# Altium PCB Board.PcbDoc (part 3 of 15)
Units mil, origin at the board's own origin, x right, y up, seen from the top; angles counter-clockwise.
Board outline 6379.64 x 4143.89 mil, 4 copper layers (Top Layer, GND, VCC, Bottom Layer); 316 components, 199 nets, 1077 pads, 596 vias.
Unrouted connection lines stored in the file: 268.
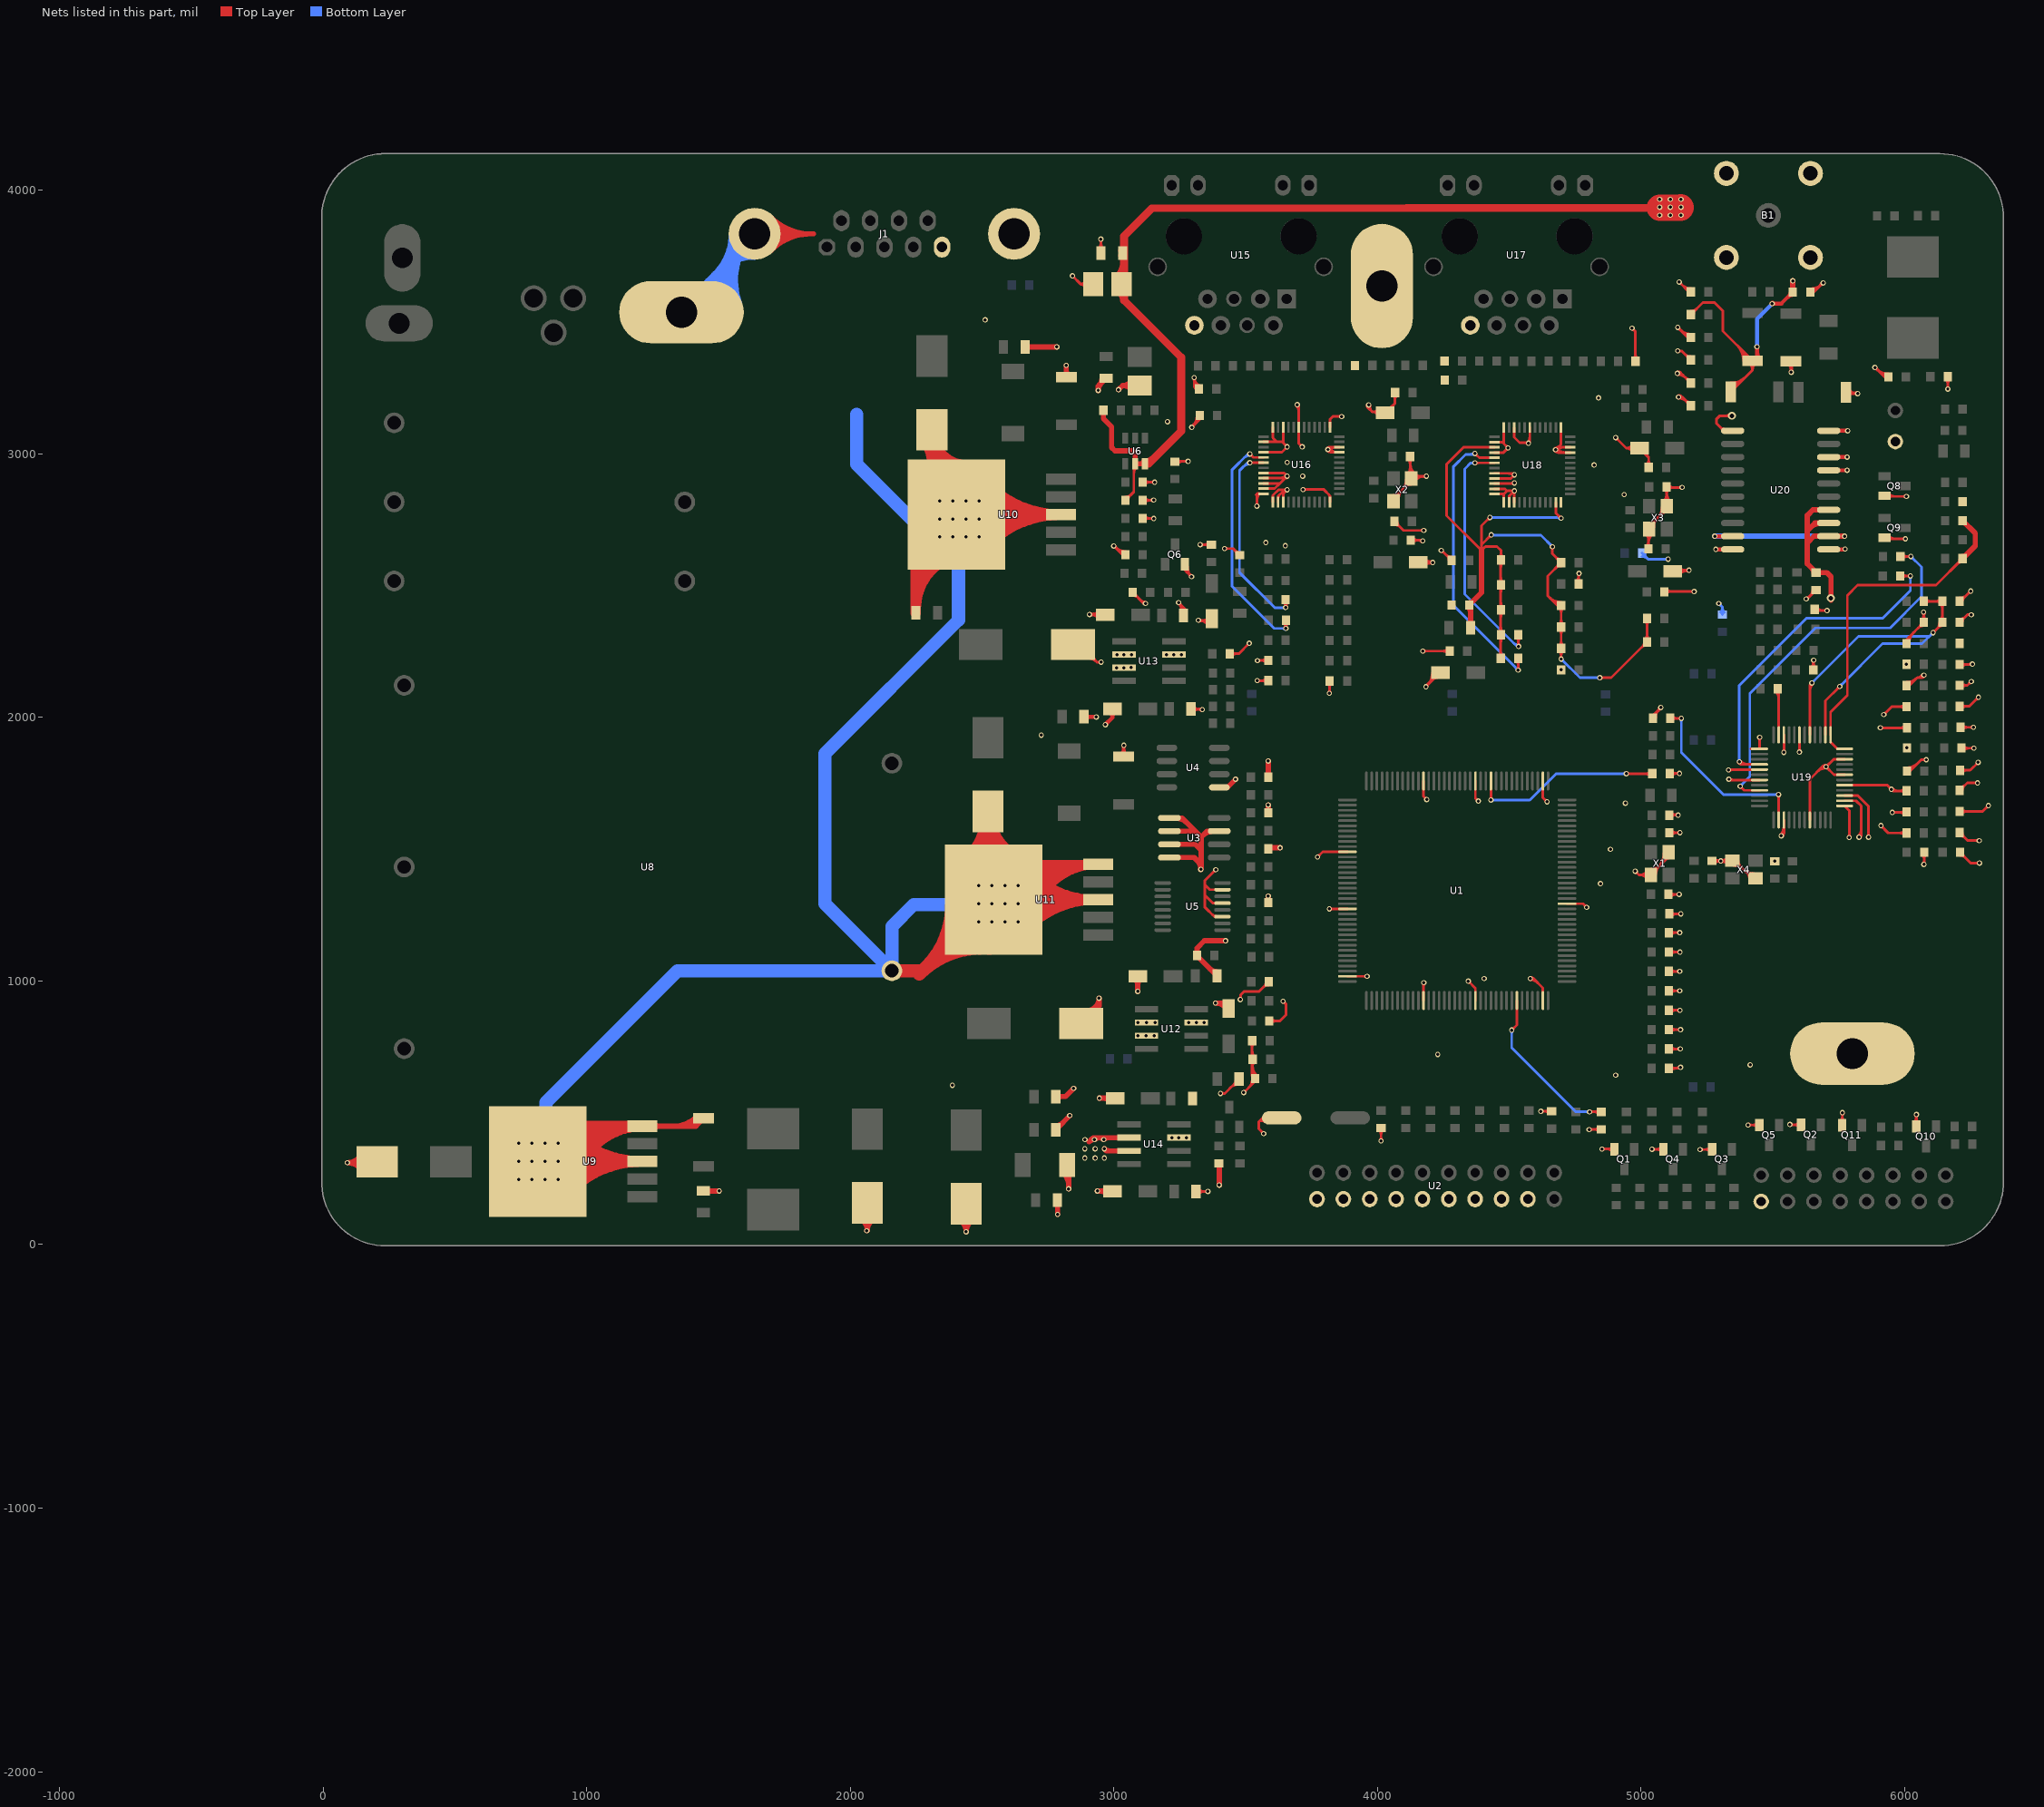
[diagram p4: the nets of this part, all layers, seen from the top]

## Via types
v1: diameter 20, hole 12, Top Layer to Bottom Layer, 590 vias
v2: diameter 30, hole 17, Top Layer to Bottom Layer, 6 vias

## Nets (pads, with @x,y where several pads share a name; then routed paths per layer and width w, separated by ;. In a path a pad name is that pad's centre, name@x,y a point inside that pad or via, vN(x,y) a via of type N, cw(c..) or ccw(c..) an arc to the next point about the centre after c; other vN are vias at no path point) (continued)
3V3D2: C76.1 L9.2 R64.1 R66.1 R67.1 R68.1 R69.1 R70.1 R71.1 R72.1 R73.1 R74.1 R75.1 U18.27 U18.47 | length 6596.1
  Top Layer w10: 4392.1,2635.95 4262.6,2765.45 4262.6,2960.45 4326.77,3024.62 U18.27@4443.6,3024.62 ; v1(4426.6,2758.45) 4425.6,2758.45 4394.6,2727.45 4394.6,2655.45 ; v1(4431.6,2692.45) 4394.6,2655.45 ; R70.1@4467.6,2224.45 4467.6,2596.45 R75.1@4468.6,2597.45 4468.6,2633.45 4453.6,2648.45 4409.6,2648.45 4394.6,2633.45 4394.6,2655.45 ; 4650.65,2456.4 ccw(c4696.6,2502.35) R66.1@4696.6,2437.37 ; v1(4663.6,2647.45) 4663.6,2620.45 R73.1@4696.6,2587.45 4645.6,2536.45 4645.6,2461.45 4682.4,2424.65 R66.1@4696.6,2424.65 R68.1@4696.6,2343.25 R69.1@4696.6,2261.85 v1(4696.6,2221.45) ; 4667.72,2439.33 ccw(c4696.6,2468.21) R66.1@4696.6,2427.37 ; U18.47@4676.18,2815.72 4676.18,2775.87 v1(4696.6,2755.45) ; v1(4843.6,2150.45) 4886.6,2150.45 R67.1@5022.6,2286.45 R64.1@5022.6,2375.45 ; 4416.36,2749.21 cw(c4426.6,2738.96) v1@4426.6,2753.45 ; 4416.36,2749.21 cw(c4426.6,2738.96) v1@4426.6,2753.45 ; 4416.36,2749.21 cw(c4426.6,2738.96) v1@4426.6,2753.45 ; 4418.77,2751.62 ccw(c4411.94,2758.45) v1@4421.6,2758.45 ; 4418.77,2751.62 ccw(c4411.94,2758.45) v1@4421.6,2758.45 ; 4418.77,2751.62 ccw(c4411.94,2758.45) v1@4421.6,2758.45 ; 4423.06,2683.91 cw(c4431.6,2675.38) v1@4431.6,2687.45 ; 4423.06,2683.91 ccw(c4414.53,2692.45) v1@4426.6,2692.45 ; 4423.06,2683.91 cw(c4431.6,2675.38) v1@4431.6,2687.45 ; 4423.06,2683.91 ccw(c4414.53,2692.45) v1@4426.6,2692.45 ; 4423.06,2683.91 ccw(c4414.53,2692.45) v1@4426.6,2692.45 ; 4423.06,2683.91 cw(c4431.6,2675.38) v1@4431.6,2687.45 ; R70.1@4460,2234.02 ccw(c4441.65,2252.37) 4467.6,2252.37 ; R70.1@4460,2234.02 ccw(c4441.65,2252.37) 4467.6,2252.37 ; R70.1@4460,2234.02 ccw(c4441.65,2252.37) 4467.6,2252.37 ; R71.1@4461,2303.63 cw(c4445.06,2287.7) 4467.6,2287.7 ; R71.1@4461,2303.63 cw(c4445.06,2287.7) 4467.6,2287.7 ; R71.1@4461,2303.63 cw(c4445.06,2287.7) 4467.6,2287.7 ; R71.1@4461,2322.77 ccw(c4445.06,2338.7) 4467.6,2338.7 ; R71.1@4461,2322.77 ccw(c4445.06,2338.7) 4467.6,2338.7 ; R71.1@4461,2322.77 ccw(c4445.06,2338.7) 4467.6,2338.7 ; R72.1@4461,2398.38 cw(c4445.06,2382.45) 4467.6,2382.45 ; R72.1@4461,2398.38 cw(c4445.06,2382.45) 4467.6,2382.45 ; R72.1@4461,2398.38 cw(c4445.06,2382.45) 4467.6,2382.45 ; R72.1@4461,2417.52 ccw(c4445.06,2433.45) 4467.6,2433.45 ; R72.1@4461,2417.52 ccw(c4445.06,2433.45) 4467.6,2433.45 ; R72.1@4461,2417.52 ccw(c4445.06,2433.45) 4467.6,2433.45 ; R74.1@4461,2493.13 cw(c4445.06,2477.2) 4467.6,2477.2 ; R74.1@4461,2493.13 cw(c4445.06,2477.2) 4467.6,2477.2 ; R74.1@4461,2493.13 cw(c4445.06,2477.2) 4467.6,2477.2 ; R74.1@4461,2512.27 ccw(c4445.06,2528.2) 4467.6,2528.2 ; R74.1@4461,2512.27 ccw(c4445.06,2528.2) 4467.6,2528.2 ; R74.1@4461,2512.27 ccw(c4445.06,2528.2) 4467.6,2528.2 ; R75.1@4461,2587.88 cw(c4445.06,2571.95) 4467.6,2571.95 ; R75.1@4461,2587.88 cw(c4445.06,2571.95) 4467.6,2571.95 ; R75.1@4461,2587.88 cw(c4445.06,2571.95) 4467.6,2571.95 ; R75.1@4461,2607.02 ccw(c4442.65,2625.37) 4468.6,2625.37 ; R75.1@4461,2607.02 ccw(c4442.65,2625.37) 4468.6,2625.37 ; R75.1@4461,2607.02 ccw(c4442.65,2625.37) 4468.6,2625.37 ; 4467.6,2252.37 ccw(c4493.55,2252.37) R70.1@4475.2,2234.02 ; 4467.6,2252.37 ccw(c4493.55,2252.37) R70.1@4475.2,2234.02 ; 4467.6,2252.37 ccw(c4493.55,2252.37) R70.1@4475.2,2234.02 ; 4467.6,2282.87 cw(c4496.96,2282.87) R71.1@4476.2,2303.63 ; 4467.6,2282.87 cw(c4496.96,2282.87) R71.1@4476.2,2303.63 ; 4467.6,2282.87 cw(c4496.96,2282.87) R71.1@4476.2,2303.63 ; 4467.6,2343.53 ccw(c4496.96,2343.53) R71.1@4476.2,2322.77 ; 4467.6,2343.53 ccw(c4496.96,2343.53) R71.1@4476.2,2322.77 ; 4467.6,2343.53 ccw(c4496.96,2343.53) R71.1@4476.2,2322.77 ; 4467.6,2377.62 cw(c4496.96,2377.62) R72.1@4476.2,2398.38 ; 4467.6,2377.62 cw(c4496.96,2377.62) R72.1@4476.2,2398.38 ; 4467.6,2377.62 cw(c4496.96,2377.62) R72.1@4476.2,2398.38 ; 4467.6,2438.28 ccw(c4496.96,2438.28) R72.1@4476.2,2417.52 ; 4467.6,2438.28 ccw(c4496.96,2438.28) R72.1@4476.2,2417.52 ; 4467.6,2438.28 ccw(c4496.96,2438.28) R72.1@4476.2,2417.52 ; 4467.6,2472.37 cw(c4496.96,2472.37) R74.1@4476.2,2493.13 ; 4467.6,2472.37 cw(c4496.96,2472.37) R74.1@4476.2,2493.13 ; 4467.6,2472.37 cw(c4496.96,2472.37) R74.1@4476.2,2493.13 ; 4467.6,2533.03 ccw(c4496.96,2533.03) R74.1@4476.2,2512.27 ; 4467.6,2533.03 ccw(c4496.96,2533.03) R74.1@4476.2,2512.27 ; 4467.6,2533.03 ccw(c4496.96,2533.03) R74.1@4476.2,2512.27 ; 4467.6,2567.12 cw(c4496.96,2567.12) R75.1@4476.2,2587.88 ; 4467.6,2567.12 cw(c4496.96,2567.12) R75.1@4476.2,2587.88 ; 4467.6,2567.12 cw(c4496.96,2567.12) R75.1@4476.2,2587.88 ; 4468.6,2625.37 ccw(c4494.55,2625.37) R75.1@4476.2,2607.02 ; 4468.6,2625.37 ccw(c4494.55,2625.37) R75.1@4476.2,2607.02 ; 4468.6,2625.37 ccw(c4494.55,2625.37) R75.1@4476.2,2607.02 ; v1@4660.06,2643.91 cw(c4651.53,2635.38) 4663.6,2635.38 ; v1@4660.06,2643.91 cw(c4651.53,2635.38) 4663.6,2635.38 ; v1@4660.06,2643.91 cw(c4651.53,2635.38) 4663.6,2635.38 ; 4663.6,2635.38 cw(c4675.67,2635.38) v1@4667.13,2643.91 ; 4663.6,2635.38 cw(c4675.67,2635.38) v1@4667.13,2643.91 ; 4663.6,2635.38 cw(c4675.67,2635.38) v1@4667.13,2643.91 ; 4674.89,2565.74 cw(c4696.6,2544.03) R73.1@4696.6,2574.73 ; 4674.89,2565.74 cw(c4696.6,2544.03) R73.1@4696.6,2574.73 ; 4674.89,2565.74 cw(c4696.6,2544.03) R73.1@4696.6,2574.73 ; 4674.89,2609.16 ccw(c4696.6,2630.87) R73.1@4696.6,2600.17 ; 4674.89,2609.16 ccw(c4696.6,2630.87) R73.1@4696.6,2600.17 ; 4674.89,2609.16 ccw(c4696.6,2630.87) R73.1@4696.6,2600.17 ; 4679.64,2570.49 ccw(c4664.65,2585.48) R73.1@4685.85,2585.48 ; 4679.64,2570.49 ccw(c4664.65,2585.48) R73.1@4685.85,2585.48 ; 4679.64,2570.49 ccw(c4664.65,2585.48) R73.1@4685.85,2585.48 ; 4679.64,2604.4 cw(c4664.65,2589.42) R73.1@4685.85,2589.42 ; 4679.64,2604.4 cw(c4664.65,2589.42) R73.1@4685.85,2589.42 ; 4679.64,2604.4 cw(c4664.65,2589.42) R73.1@4685.85,2589.42 ; 4688.06,2763.98 cw(c4679.53,2755.45) v1@4691.6,2755.45 ; 4688.06,2763.98 ccw(c4696.6,2772.52) v1@4696.6,2760.45 ; 4688.06,2763.98 cw(c4679.53,2755.45) v1@4691.6,2755.45 ; 4688.06,2763.98 ccw(c4696.6,2772.52) v1@4696.6,2760.45 ; 4688.06,2763.98 ccw(c4696.6,2772.52) v1@4696.6,2760.45 ; 4688.06,2763.98 cw(c4679.53,2755.45) v1@4691.6,2755.45 ; R69.1@4689,2252.28 cw(c4670.65,2233.93) 4696.6,2233.93 ; R69.1@4689,2252.28 cw(c4670.65,2233.93) 4696.6,2233.93 ; R69.1@4689,2252.28 cw(c4670.65,2233.93) 4696.6,2233.93 ; R69.1@4689,2271.42 ccw(c4670.65,2289.77) 4696.6,2289.77 ; R69.1@4689,2271.42 ccw(c4670.65,2289.77) 4696.6,2289.77 ; R69.1@4689,2271.42 ccw(c4670.65,2289.77) 4696.6,2289.77 ; R68.1@4689,2333.68 cw(c4670.65,2315.33) 4696.6,2315.33 ; R68.1@4689,2333.68 cw(c4670.65,2315.33) 4696.6,2315.33 ; R68.1@4689,2333.68 cw(c4670.65,2315.33) 4696.6,2315.33 ; R68.1@4689,2352.82 ccw(c4670.65,2371.17) 4696.6,2371.17 ; R68.1@4689,2352.82 ccw(c4670.65,2371.17) 4696.6,2371.17 ; R68.1@4689,2352.82 ccw(c4670.65,2371.17) 4696.6,2371.17 ; R66.1@4689,2415.08 cw(c4670.65,2396.73) 4696.6,2396.73 ; R66.1@4689,2415.08 cw(c4670.65,2396.73) 4696.6,2396.73 ; R66.1@4689,2415.08 cw(c4670.65,2396.73) 4696.6,2396.73 ; v1@4693.06,2224.98 ccw(c4684.53,2233.52) 4696.6,2233.52 ; v1@4693.06,2224.98 ccw(c4684.53,2233.52) 4696.6,2233.52 ; v1@4693.06,2224.98 ccw(c4684.53,2233.52) 4696.6,2233.52 ; 4696.6,2233.52 ccw(c4708.67,2233.52) v1@4700.13,2224.98 ; 4696.6,2233.52 ccw(c4708.67,2233.52) v1@4700.13,2224.98 ; 4696.6,2233.52 ccw(c4708.67,2233.52) v1@4700.13,2224.98 ; 4696.6,2233.93 cw(c4722.55,2233.93) R69.1@4704.2,2252.28 ; 4696.6,2233.93 cw(c4722.55,2233.93) R69.1@4704.2,2252.28 ; 4696.6,2233.93 cw(c4722.55,2233.93) R69.1@4704.2,2252.28 ; 4696.6,2289.77 ccw(c4722.55,2289.77) R69.1@4704.2,2271.42 ; 4696.6,2289.77 ccw(c4722.55,2289.77) R69.1@4704.2,2271.42 ; 4696.6,2289.77 ccw(c4722.55,2289.77) R69.1@4704.2,2271.42 ; 4696.6,2315.33 cw(c4722.55,2315.33) R68.1@4704.2,2333.68 ; 4696.6,2315.33 cw(c4722.55,2315.33) R68.1@4704.2,2333.68 ; 4696.6,2315.33 cw(c4722.55,2315.33) R68.1@4704.2,2333.68 ; 4696.6,2371.17 ccw(c4722.55,2371.17) R68.1@4704.2,2352.82 ; 4696.6,2371.17 ccw(c4722.55,2371.17) R68.1@4704.2,2352.82 ; 4696.6,2371.17 ccw(c4722.55,2371.17) R68.1@4704.2,2352.82 ; 4696.6,2396.73 cw(c4722.55,2396.73) R66.1@4704.2,2415.08 ; 4696.6,2396.73 cw(c4722.55,2396.73) R66.1@4704.2,2415.08 ; 4696.6,2396.73 cw(c4722.55,2396.73) R66.1@4704.2,2415.08 ; v1@4847.13,2146.91 cw(c4855.67,2138.38) 4855.67,2150.45 ; v1@4847.13,2146.91 cw(c4855.67,2138.38) 4855.67,2150.45 ; v1@4847.13,2146.91 cw(c4855.67,2138.38) 4855.67,2150.45 ; v1@4847.13,2153.98 ccw(c4855.67,2162.52) 4855.67,2150.45 ; v1@4847.13,2153.98 ccw(c4855.67,2162.52) 4855.67,2150.45 ; v1@4847.13,2153.98 ccw(c4855.67,2162.52) 4855.67,2150.45 ; 5000.89,2264.74 cw(c5022.6,2243.03) R67.1@5022.6,2273.73 ; 5000.89,2264.74 cw(c5022.6,2243.03) R67.1@5022.6,2273.73 ; 5000.89,2264.74 cw(c5022.6,2243.03) R67.1@5022.6,2273.73 ; 5005.64,2269.49 ccw(c4990.65,2284.48) R67.1@5011.85,2284.48 ; 5005.64,2269.49 ccw(c4990.65,2284.48) R67.1@5011.85,2284.48 ; 5005.64,2269.49 ccw(c4990.65,2284.48) R67.1@5011.85,2284.48 ; R67.1@5015,2296.02 ccw(c4996.65,2314.37) 5022.6,2314.37 ; R67.1@5015,2296.02 ccw(c4996.65,2314.37) 5022.6,2314.37 ; R67.1@5015,2296.02 ccw(c4996.65,2314.37) 5022.6,2314.37 ; R64.1@5015,2365.88 cw(c4996.65,2347.53) 5022.6,2347.53 ; R64.1@5015,2365.88 cw(c4996.65,2347.53) 5022.6,2347.53 ; R64.1@5015,2365.88 cw(c4996.65,2347.53) 5022.6,2347.53 ; 5022.6,2314.37 ccw(c5048.55,2314.37) R67.1@5030.2,2296.02 ; 5022.6,2314.37 ccw(c5048.55,2314.37) R67.1@5030.2,2296.02 ; 5022.6,2314.37 ccw(c5048.55,2314.37) R67.1@5030.2,2296.02 ; 5022.6,2347.53 cw(c5048.55,2347.53) R64.1@5030.2,2365.88 ; 5022.6,2347.53 cw(c5048.55,2347.53) R64.1@5030.2,2365.88 ; 5022.6,2347.53 cw(c5048.55,2347.53) R64.1@5030.2,2365.88 ; 4653.68,2453.36 ccw(c4692.6,2492.28) 4695.95,2437.35 cw(c4692.6,2492.28) 4653.68,2453.36 ; 4669.39,2437.66 ccw(c4694.4,2462.68) 4696.55,2427.36 cw(c4694.4,2462.68) 4669.39,2437.66
  Top Layer w20: L9.2@4353.28,2340.45 4353.28,2420.77 C76.1@4347.6,2426.45 4394.6,2473.45 4394.6,2633.45 ; C76.1@4343.53,2420.42 cw(c4320.02,2396.9) 4353.28,2396.9 ; C76.1@4343.53,2420.42 cw(c4320.02,2396.9) 4353.28,2396.9 ; C76.1@4343.53,2420.42 cw(c4320.02,2396.9) 4353.28,2396.9 ; C76.1@4347.6,2434.17 ccw(c4347.6,2452.79) C76.1@4360.77,2439.62 ; C76.1@4347.6,2434.17 ccw(c4347.6,2452.79) C76.1@4360.77,2439.62 ; C76.1@4347.6,2434.17 ccw(c4347.6,2452.79) C76.1@4360.77,2439.62 ; L9.2@4347.82,2353.78 ccw(c4334.65,2366.95) 4353.28,2366.95 ; L9.2@4347.82,2353.78 ccw(c4334.65,2366.95) 4353.28,2366.95 ; L9.2@4347.82,2353.78 ccw(c4334.65,2366.95) 4353.28,2366.95 ; 4353.28,2366.95 ccw(c4371.9,2366.95) L9.2@4358.73,2353.78 ; 4353.28,2366.95 ccw(c4371.9,2366.95) L9.2@4358.73,2353.78 ; 4353.28,2366.95 ccw(c4371.9,2366.95) L9.2@4358.73,2353.78
  Bottom Layer w10: v1(4426.6,2758.45) 4693.6,2758.45 v1(4696.6,2755.45) ; v1@4431.6,2691.45 4619.6,2691.45 v1(4663.6,2647.45) ; v1(4696.6,2221.45) 4767.6,2150.45 v1(4843.6,2150.45) ; v1@4430.13,2754.91 cw(c4438.67,2746.38) 4438.67,2758.45 ; v1@4430.13,2754.91 cw(c4438.67,2746.38) 4438.67,2758.45 ; v1@4430.13,2754.91 cw(c4438.67,2746.38) 4438.67,2758.45 ; v1@4430.13,2761.98 ccw(c4438.67,2770.52) 4438.67,2758.45 ; v1@4430.13,2761.98 ccw(c4438.67,2770.52) 4438.67,2758.45 ; v1@4430.13,2761.98 ccw(c4438.67,2770.52) 4438.67,2758.45 ; v1@4435.13,2695.98 ccw(c4446.08,2706.93) 4446.08,2691.45 ; v1@4435.13,2695.98 ccw(c4446.08,2706.93) 4446.08,2691.45 ; v1@4435.13,2695.98 ccw(c4446.08,2706.93) 4446.08,2691.45 ; 4655.06,2655.98 cw(c4646.53,2647.45) v1@4658.6,2647.45 ; 4655.06,2655.98 ccw(c4663.6,2664.52) v1@4663.6,2652.45 ; 4655.06,2655.98 cw(c4646.53,2647.45) v1@4658.6,2647.45 ; 4655.06,2655.98 ccw(c4663.6,2664.52) v1@4663.6,2652.45 ; 4655.06,2655.98 ccw(c4663.6,2664.52) v1@4663.6,2652.45 ; 4655.06,2655.98 cw(c4646.53,2647.45) v1@4658.6,2647.45 ; 4677.28,2758.45 cw(c4677.28,2736.14) v1@4693.06,2751.91 ; 4677.28,2758.45 cw(c4677.28,2736.14) v1@4693.06,2751.91 ; 4677.28,2758.45 cw(c4677.28,2736.14) v1@4693.06,2751.91 ; v1@4696.6,2216.45 cw(c4696.6,2204.38) 4705.13,2212.91 ; v1@4696.6,2216.45 cw(c4696.6,2204.38) 4705.13,2212.91 ; v1@4696.6,2216.45 cw(c4696.6,2204.38) 4705.13,2212.91 ; v1@4701.6,2221.45 ccw(c4713.67,2221.45) 4705.13,2212.91 ; v1@4701.6,2221.45 ccw(c4713.67,2221.45) 4705.13,2212.91 ; v1@4701.6,2221.45 ccw(c4713.67,2221.45) 4705.13,2212.91 ; 4831.53,2150.45 cw(c4831.53,2138.38) v1@4840.06,2146.91 ; 4831.53,2150.45 ccw(c4831.53,2162.52) v1@4840.06,2153.98 ; 4831.53,2150.45 cw(c4831.53,2138.38) v1@4840.06,2146.91 ; 4831.53,2150.45 ccw(c4831.53,2162.52) v1@4840.06,2153.98 ; 4831.53,2150.45 ccw(c4831.53,2162.52) v1@4840.06,2153.98 ; 4831.53,2150.45 cw(c4831.53,2138.38) v1@4840.06,2146.91
ADC_IN: C107.1 R94.2 U19.1 U19.48 | length 1479
  Top Layer w10: U19.1@5718.87,1933.87 5718.87,2019.72 5782.6,2083.45 5782.6,2462.45 5821.6,2501.45 6118.6,2501.45 C107.1@6219.6,2602.45 ; U19.1@5719.6,1905.45 U19.48@5744.6,1880.45 ; 6197.89,2580.74 cw(c6219.6,2559.03) C107.1@6219.6,2589.73 ; 6197.89,2580.74 cw(c6219.6,2559.03) C107.1@6219.6,2589.73 ; 6197.89,2580.74 cw(c6219.6,2559.03) C107.1@6219.6,2589.73 ; 6202.64,2585.49 ccw(c6187.65,2600.48) C107.1@6208.85,2600.48 ; 6202.64,2585.49 ccw(c6187.65,2600.48) C107.1@6208.85,2600.48 ; 6202.64,2585.49 ccw(c6187.65,2600.48) C107.1@6208.85,2600.48
  Top Layer w20: C107.1@6219.6,2602.45 6267.6,2650.45 6267.6,2698.54 R94.2@6219.75,2746.39 ; C107.1@6219.6,2610.17 ccw(c6219.6,2628.79) C107.1@6232.77,2615.62 ; C107.1@6219.6,2610.17 ccw(c6219.6,2628.79) C107.1@6232.77,2615.62 ; C107.1@6219.6,2610.17 ccw(c6219.6,2628.79) C107.1@6232.77,2615.62 ; R94.2@6219.75,2738.67 cw(c6219.75,2720.04) R94.2@6232.92,2733.22 ; R94.2@6219.75,2738.67 cw(c6219.75,2720.04) R94.2@6232.92,2733.22 ; R94.2@6219.75,2738.67 cw(c6219.75,2720.04) R94.2@6232.92,2733.22
AFE_VCC: C27.2 C33.2 C34.2 C124.2 C125.2 C.1@5003.6,2623.45 C.1@5308.6,2390.45 D5.2 D6.2 R35.2 R89.2 U6.2 U6.3 U20.2 | length 8476.5
  Top Layer w10: R35.2@3043.6,2823.84 3075.6,2855.84 3075.6,2957.22 U6.2@3080.6,2962.22 ; R89.2@5188.6,3528.61 5234.44,3574.45 5278.6,3574.45 5310.6,3542.45 5310.6,3465.35 D6.2@5422.6,3353.35 ; D5.2@5339.5,3234.45 5422.6,3317.55 D6.2@5422.6,3353.35 ; D6.2@5439.6,3370.35 D6.2@5422.6,3353.35 ; R35.2@3043.6,2836.55 ccw(c3043.6,2867.26) 3065.31,2845.55 ; R35.2@3043.6,2836.55 ccw(c3043.6,2867.26) 3065.31,2845.55 ; R35.2@3043.6,2836.55 ccw(c3043.6,2867.26) 3065.31,2845.55 ; R35.2@3054.35,2825.81 cw(c3075.54,2825.81) 3060.55,2840.79 ; R35.2@3054.35,2825.81 cw(c3075.54,2825.81) 3060.55,2840.79 ; R35.2@3054.35,2825.81 cw(c3075.54,2825.81) 3060.55,2840.79 ; 3075.6,2924.85 cw(c3109.11,2924.85) U6.2@3085.41,2948.55 ; 3075.6,2924.85 cw(c3109.11,2924.85) U6.2@3085.41,2948.55 ; 3075.6,2924.85 cw(c3109.11,2924.85) U6.2@3085.41,2948.55 ; R89.2@5188.6,3541.32 ccw(c5188.6,3572.02) 5210.31,3550.32 ; R89.2@5188.6,3541.32 ccw(c5188.6,3572.02) 5210.31,3550.32 ; R89.2@5188.6,3541.32 ccw(c5188.6,3572.02) 5210.31,3550.32 ; R89.2@5199.35,3530.58 cw(c5220.54,3530.58) 5205.55,3545.56 ; R89.2@5199.35,3530.58 cw(c5220.54,3530.58) 5205.55,3545.56 ; R89.2@5199.35,3530.58 cw(c5220.54,3530.58) 5205.55,3545.56 ; D5.2@5339.5,3248.82 ccw(c5339.5,3283.51) 5364.03,3258.98 ; D5.2@5339.5,3248.82 ccw(c5339.5,3283.51) 5364.03,3258.98 ; D5.2@5339.5,3248.82 ccw(c5339.5,3283.51) 5364.03,3258.98 ; D5.2@5339.5,3258.82 ccw(c5339.5,3317.65) 5381.1,3276.05 ; D5.2@5339.5,3258.82 ccw(c5339.5,3317.65) 5381.1,3276.05 ; D5.2@5339.5,3258.82 ccw(c5339.5,3317.65) 5381.1,3276.05 ; D5.2@5339.5,3268.82 ccw(c5339.5,3351.8) 5398.17,3293.12 ; D5.2@5339.5,3268.82 ccw(c5339.5,3351.8) 5398.17,3293.12 ; D5.2@5339.5,3268.82 ccw(c5339.5,3351.8) 5398.17,3293.12 ; 5363.92,3412.02 cw(c5305.25,3353.35) D6.2@5388.23,3353.35 ; 5363.92,3412.02 cw(c5305.25,3353.35) D6.2@5388.23,3353.35 ; 5363.92,3412.02 cw(c5305.25,3353.35) D6.2@5388.23,3353.35 ; 5381,3394.95 cw(c5339.39,3353.35) D6.2@5398.23,3353.35 ; 5381,3394.95 cw(c5339.39,3353.35) D6.2@5398.23,3353.35 ; 5381,3394.95 cw(c5339.39,3353.35) D6.2@5398.23,3353.35 ; 5398.07,3377.88 cw(c5373.54,3353.35) D6.2@5408.23,3353.35 ; 5398.07,3377.88 cw(c5373.54,3353.35) D6.2@5408.23,3353.35 ; 5398.07,3377.88 cw(c5373.54,3353.35) D6.2@5408.23,3353.35 ; D6.2@5412.21,3342.96 cw(c5387.15,3317.89) 5422.6,3317.89 ; D6.2@5412.21,3342.96 cw(c5387.15,3317.89) 5422.6,3317.89 ; D6.2@5412.21,3342.96 cw(c5387.15,3317.89) 5422.6,3317.89 ; 5422.6,3317.89 cw(c5458.05,3317.89) D6.2@5432.98,3342.96 ; 5422.6,3317.89 cw(c5458.05,3317.89) D6.2@5432.98,3342.96 ; 5422.6,3317.89 cw(c5458.05,3317.89) D6.2@5432.98,3342.96
  Top Layer w15: v1(5279.6,2687.45) U20.2@5347.43,2687.45 ; D6.2@5439.6,3370.35 v1(5439.6,3406.45) ; v1@5498.39,3570.24 5532.39,3570.24 C124.2@5575.6,3613.45 ; D6.2@5433.67,3361.96 ccw(c5419.35,3376.28) 5439.6,3376.28 ; D6.2@5433.67,3361.96 ccw(c5419.35,3376.28) 5439.6,3376.28 ; D6.2@5433.67,3361.96 ccw(c5419.35,3376.28) 5439.6,3376.28 ; 5439.6,3389.25 ccw(c5478.18,3389.25) D6.2@5450.9,3361.96 ; 5439.6,3389.25 ccw(c5478.18,3389.25) D6.2@5450.9,3361.96 ; 5439.6,3389.25 ccw(c5478.18,3389.25) D6.2@5450.9,3361.96 ; 5558.16,3596.01 cw(c5575.6,3578.57) C124.2@5575.6,3603.23 ; 5558.16,3596.01 cw(c5575.6,3578.57) C124.2@5575.6,3603.23 ; 5558.16,3596.01 cw(c5575.6,3578.57) C124.2@5575.6,3603.23 ; C124.2@5562.91,3600.76 ccw(c5552.19,3611.48) C124.2@5567.35,3611.48 ; C124.2@5562.91,3600.76 ccw(c5552.19,3611.48) C124.2@5567.35,3611.48 ; C124.2@5562.91,3600.76 ccw(c5552.19,3611.48) C124.2@5567.35,3611.48
  Top Layer w20: C27.2@2960.6,3165.45 2960.6,3133.45 2991.6,3102.45 2991.6,3024.45 3004.6,3011.45 3070.6,3011.45 3080.6,3001.45 U6.2@3080.6,2962.22 U6.3@3118,2962.22 ; v1(5497.6,3569.45) v1@5498.39,3570.24 ; C124.2@5575.6,3613.45 v1(5575.6,3656.45) ; U20.2@5711.6,2737.45 5659.6,2737.45 5630.6,2708.45 ; U20.2@5711.6,2787.45 5651.6,2787.45 5630.6,2766.45 5630.6,2708.45 ; v2@5720.6,2445.45 5720.6,2533.45 5704.6,2549.45 C125.2@5663.6,2549.45 5630.6,2582.45 5630.6,2662.45 ; v1(5771.6,2687.45) U20.2@5711.6,2687.45 5655.6,2687.45 5630.6,2662.45 ; 5630.6,2662.45 5630.6,2708.45 ; 5642.7,2720.55 cw(c5679.12,2684.14) U20.2@5679.12,2735.64 ; 5642.7,2720.55 cw(c5679.12,2684.14) U20.2@5679.12,2735.64 ; 5642.7,2720.55 cw(c5679.12,2684.14) U20.2@5679.12,2735.64 ; C125.2@5650.43,2562.62 cw(c5637.25,2549.45) C125.2@5655.88,2549.45 ; C125.2@5650.43,2562.62 cw(c5637.25,2549.45) C125.2@5655.88,2549.45 ; C125.2@5650.43,2562.62 cw(c5637.25,2549.45) C125.2@5655.88,2549.45 ; 5649.84,2727.69 cw(c5671.33,2706.2) 5678.68,2735.69 ccw(c5671.33,2706.2) 5649.84,2727.69